# KiCad board panel-support-52-blue.kicad_pcb (continued)
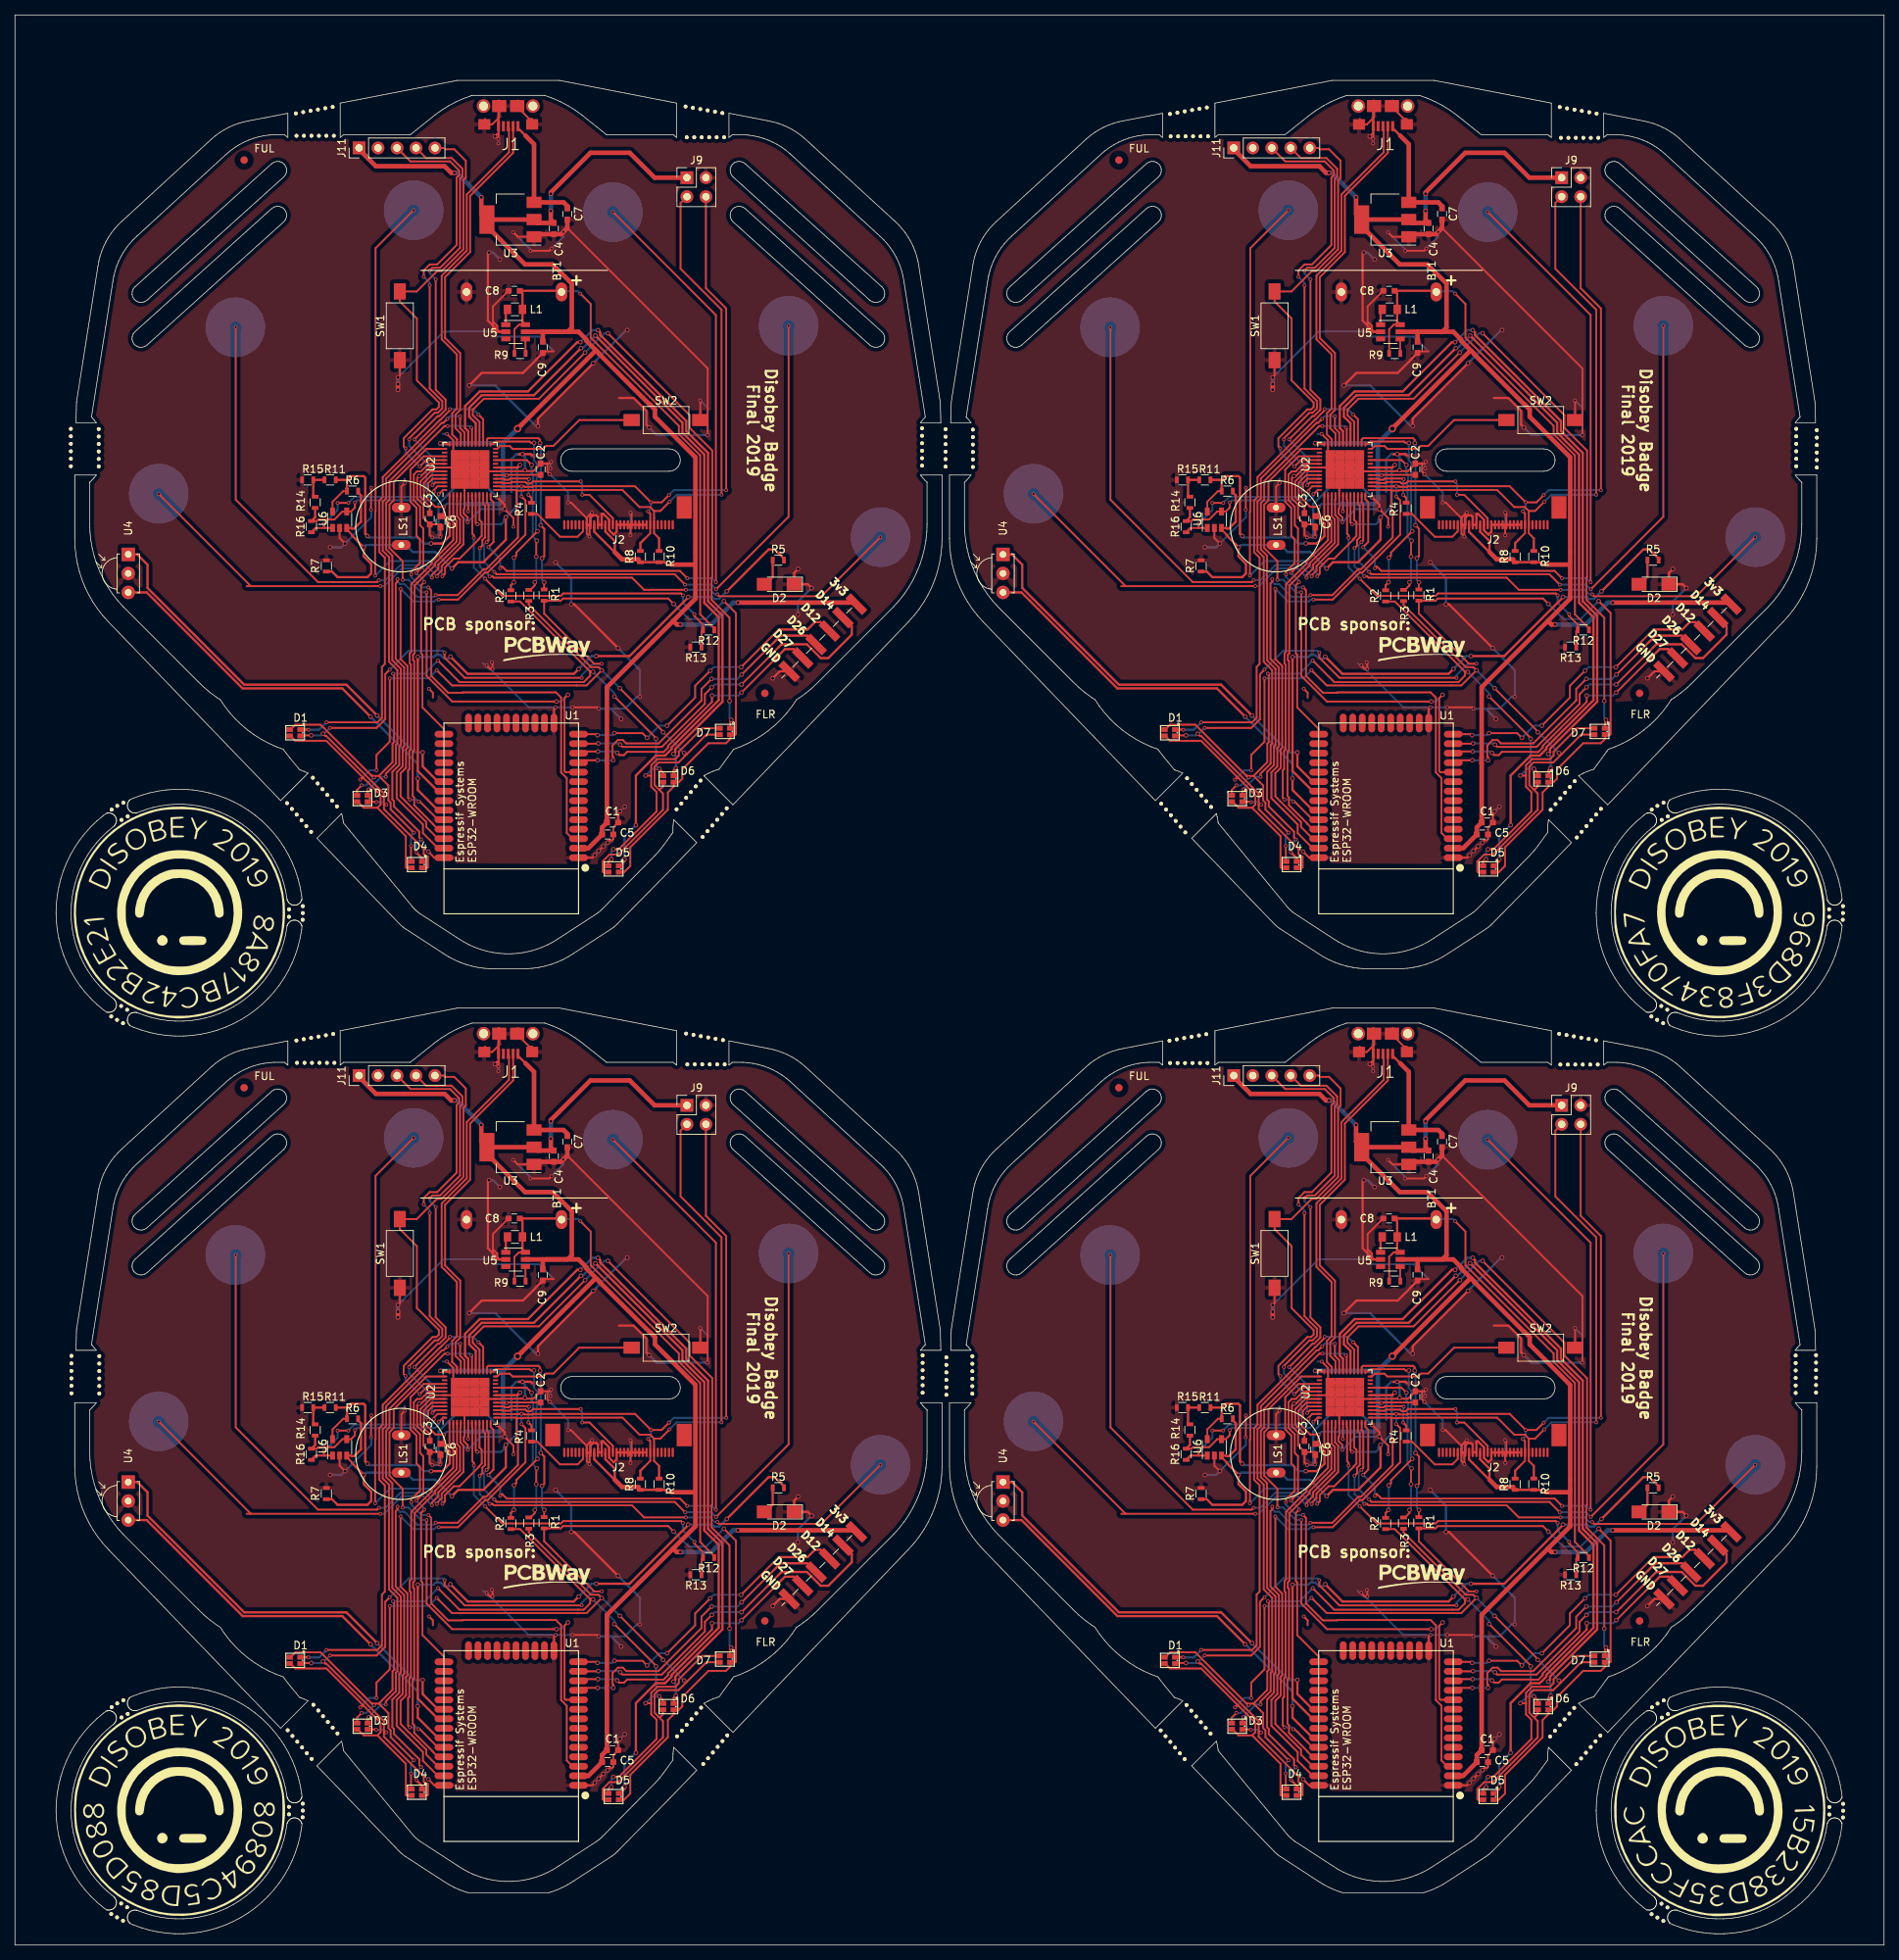
[diagram p0: board, top side]
## Routing (per net, layer and track width the routed paths; a pad name or vN(x,y) marks a point on that pad's centre or on a via; arc(x,y) is an arc through that point) (continued)
Net-(D1-Pad3): length 562.1
  Top w0.25: v1(167.58,169.95) 167.7,169.83 167.7,160.79 167.5,160.59 167.5,158.12 165.68,156.29 165.68,156.28 ; v1(50.58,45.95) 50.7,45.83 50.7,36.79 50.5,36.59 50.5,34.12 48.68,32.29 48.68,32.28 ; v1(167.58,45.95) 167.7,45.83 167.7,36.79 167.5,36.59 167.5,34.12 165.68,32.29 165.68,32.28 ; 165.68,156.28 166.95,155 166.95,153 167.25,152.7 167.25,151.8 v1(170.35,148.7) ; 165.68,156.28 164.73,156.28 ; 48.68,32.28 49.95,31 49.95,29 50.25,28.7 50.25,27.8 v1(53.35,24.7) ; 48.68,32.28 47.73,32.28 ; 165.68,32.28 166.95,31 166.95,29 167.25,28.7 167.25,27.8 v1(170.35,24.7) ; 165.68,32.28 164.73,32.28 ; 193.93,170.28 193.93,169.68 193.08,168.82 192.28,168.82 192.28,168.82 176.46,168.82 v1(173.58,171.71) ; 193.93,170.28 194.25,170.28 v2(194.32,170.2) ; 193.93,170.28 193.88,170.28 184.56,179.6 R2#2.1 ; 76.93,46.28 76.93,45.68 76.08,44.82 75.28,44.82 75.28,44.82 59.46,44.82 v1(56.58,47.71) ; 76.93,46.28 77.25,46.28 v2(77.32,46.2) ; 76.93,46.28 76.88,46.28 67.56,55.6 R2#3.1 ; 193.93,46.28 193.93,45.68 193.08,44.82 192.28,44.82 192.28,44.82 176.46,44.82 v1(173.58,47.71) ; 193.93,46.28 194.25,46.28 v2(194.32,46.2) ; 193.93,46.28 193.88,46.28 184.56,55.6 R2#4.1 ; v1(165.03,156.07) 164.78,156.32 164.73,156.28 ; v1(48.03,32.07) 47.78,32.32 47.73,32.28 ; v1(165.03,32.07) 164.78,32.32 164.73,32.28 ; 164.73,156.28 157.88,163.13 154.5,163.13 153.85,162.47 D1#2.3 ; 47.73,32.28 40.88,39.13 37.5,39.13 36.85,38.47 D1#3.3 ; 164.73,32.28 157.88,39.13 154.5,39.13 153.85,38.47 D1#4.3 ; D3#2.3 162.75,154.4 v1(163.38,155.02) ; D3#3.3 45.75,30.4 v1(46.38,31.03) ; D3#4.3 162.75,30.4 v1(163.38,31.03) ; v1(169.98,146.93) 169.98,144.9 D4#2.3 ; v1(52.98,22.92) 52.98,20.9 D4#3.3 ; v1(169.98,22.92) 169.98,20.9 D4#4.3 ; v2(202.75,161.25) 202.75,161.33 v2(197.18,166.9) ; v2(85.75,37.25) 85.75,37.33 v2(80.18,42.9) ; v2(202.75,37.25) 202.75,37.33 v2(197.18,42.9) ; 202.1,156.27 202.1,157.71 202.92,158.52 205.32,158.52 205.8,159.01 205.8,159.53 208.93,162.65 D7#2.3 ; 202.1,156.27 202.1,154.84 202.83,154.11 202.83,151.55 197.76,146.48 v2(197.03,146.48) ; 202.1,156.27 202.05,156.32 v2(201.35,156.32) ; 85.1,32.28 85.1,33.71 85.92,34.52 88.32,34.52 88.8,35.01 88.8,35.53 91.93,38.65 D7#3.3 ; 85.1,32.28 85.1,30.84 85.83,30.11 85.83,27.55 80.76,22.48 v2(80.03,22.48) ; 85.1,32.28 85.05,32.32 v2(84.35,32.32) ; 202.1,32.28 202.1,33.71 202.92,34.52 205.32,34.52 205.8,35.01 205.8,35.53 208.93,38.65 D7#4.3 ; 202.1,32.28 202.1,30.84 202.83,30.11 202.83,27.55 197.76,22.48 v2(197.03,22.48) ; 202.1,32.28 202.05,32.32 v2(201.35,32.32) ; v2(203.18,157.22) 203.68,156.72 D6#2.3 ; v2(86.18,33.22) 86.68,32.72 86.68,32.3 ; v2(203.18,33.22) 203.68,32.72 203.68,32.3 ; D5#2.3 196.35,144.85 196.63,145.12 v2(196.77,145.12) ; D5#3.3 79.35,20.85 79.63,21.12 v2(79.77,21.12) ; D5#4.3 196.35,20.85 196.63,21.12 v2(196.77,21.12) ; v2(79.77,145.12) 79.63,145.12 79.35,144.85 D5.3 ; D3.3 45.75,154.4 v1(46.38,155.02) ; v1(56.58,171.71) 59.46,168.82 75.28,168.82 75.28,168.82 76.08,168.82 76.93,169.68 76.93,170.28 ; 47.73,156.28 40.88,163.13 37.5,163.13 36.85,162.47 D1.3 ; 47.73,156.28 48.68,156.28 ; 47.73,156.28 47.78,156.32 v1(48.03,156.07) ; v2(80.03,146.48) 80.76,146.48 85.83,151.55 85.83,154.11 85.1,154.84 85.1,156.27 ; 85.1,156.27 85.05,156.32 v2(84.35,156.32) ; 85.1,156.27 85.1,157.71 85.92,158.52 88.32,158.52 88.8,159.01 88.8,159.53 91.93,162.65 D7.3 ; v2(86.18,157.22) 86.68,156.72 D6.3 ; D4.3 52.98,144.9 v1(52.98,146.93) ; v2(85.75,161.25) 85.75,161.33 v2(80.18,166.9) ; 48.68,156.28 48.68,156.29 50.5,158.12 50.5,160.59 50.7,160.79 50.7,169.83 v1(50.58,169.95) ; 48.68,156.28 49.95,155 49.95,153 50.25,152.7 50.25,151.8 v1(53.35,148.7) ; 76.93,170.28 77.25,170.28 v2(77.32,170.2) ; 76.93,170.28 76.88,170.28 67.56,179.6 R2.1
  Bottom w0.25: v1(167.58,169.95) 171.82,169.95 v1(173.58,171.71) ; v1(50.58,45.95) 54.82,45.95 v1(56.58,47.71) ; v1(167.58,45.95) 171.82,45.95 v1(173.58,47.71) ; v1(163.38,155.02) 163.98,155.02 v1(165.03,156.07) ; v1(46.38,31.03) 46.98,31.03 v1(48.03,32.07) ; v1(163.38,31.03) 163.98,31.03 v1(165.03,32.07) ; v2(194.32,170.2) 197.18,167.34 v2(197.18,166.9) ; v2(77.32,46.2) 80.18,43.34 v2(80.18,42.9) ; v2(194.32,46.2) 197.18,43.34 v2(197.18,42.9) ; v1(169.98,146.93) 169.98,148.32 v1(170.35,148.7) ; v1(52.98,22.92) 52.98,24.32 v1(53.35,24.7) ; v1(169.98,22.92) 169.98,24.32 v1(170.35,24.7) ; v2(202.75,161.25) 202.75,157.66 v2(203.18,157.22) 202.25,157.22 v2(201.35,156.32) ; v2(85.75,37.25) 85.75,33.66 v2(86.18,33.22) 85.25,33.22 v2(84.35,32.32) ; v2(202.75,37.25) 202.75,33.66 v2(203.18,33.22) 202.25,33.22 v2(201.35,32.32) ; v2(197.03,146.48) 196.77,146.21 v2(196.77,145.12) ; v2(80.03,22.48) 79.77,22.21 v2(79.77,21.12) ; v2(197.03,22.48) 196.77,22.21 v2(196.77,21.12) ; v2(79.77,145.12) 79.77,146.21 v2(80.03,146.48) ; v1(50.58,169.95) 54.82,169.95 v1(56.58,171.71) ; v1(48.03,156.07) 46.98,155.02 v1(46.38,155.02) ; v2(84.35,156.32) 85.25,157.22 v2(86.18,157.22) 85.75,157.66 v2(85.75,161.25) ; v2(77.32,170.2) 80.18,167.34 v2(80.18,166.9) ; v1(53.35,148.7) 52.98,148.32 v1(52.98,146.93)
Net-(D1-Pad4): length 553.6
  Top w0.25: v1(167.13,169.32) 167.13,160.85 165.36,159.08 v1(165.36,157.02) ; v1(50.13,45.32) 50.13,36.85 48.36,35.08 v1(48.36,33.02) ; v1(167.13,45.32) 167.13,36.85 165.36,35.08 v1(165.36,33.02) ; v1(173.42,170.41) 175.45,168.37 192.1,168.37 192.1,168.37 193.46,168.37 v2(195.48,170.4) 195.05,170.82 194.05,170.82 185.73,179.15 R3#2.1 ; v1(56.42,46.41) 58.45,44.37 75.1,44.37 75.1,44.37 76.46,44.37 v2(78.48,46.4) 78.05,46.82 77.05,46.82 68.73,55.15 R3#3.1 ; v1(173.42,46.41) 175.45,44.37 192.1,44.37 192.1,44.37 193.46,44.37 v2(195.48,46.4) 195.05,46.82 194.05,46.82 185.73,55.15 R3#4.1 ; 163.63,156 165.9,153.72 165.9,152.45 165.48,152.02 ; 163.63,156 158.65,160.97 154.5,160.97 153.85,161.62 D1#2.4 ; 163.63,156 163.6,156.02 163.43,156.02 v1(163.18,155.77) ; 46.63,32 48.9,29.72 48.9,28.45 48.48,28.03 ; 46.63,32 41.65,36.97 37.5,36.97 36.85,37.62 D1#3.4 ; 46.63,32 46.6,32.02 46.43,32.02 v1(46.18,31.78) ; 163.63,32 165.9,29.72 165.9,28.45 165.48,28.03 ; 163.63,32 158.65,36.97 154.5,36.97 153.85,37.62 D1#4.4 ; 163.63,32 163.6,32.02 163.43,32.02 v1(163.18,31.78) ; 165.48,152.02 169.28,148.22 169.28,144.07 169.35,144 170.03,144 ; 165.48,152.02 163.65,152.02 162.85,152.82 D3#2.4 ; 48.48,28.03 52.28,24.22 52.28,20.07 52.35,20 D4#3.4 ; 48.48,28.03 46.65,28.03 45.85,28.82 D3#3.4 ; 165.48,28.03 169.28,24.22 169.28,20.07 169.35,20 D4#4.4 ; 165.48,28.03 163.65,28.03 162.85,28.82 D3#4.4 ; 203.13,154.47 202.55,155.05 202.55,157.53 203.1,158.07 205.75,158.07 206.8,159.12 ; 203.13,154.47 203.68,153.93 203.68,151.76 197.69,145.77 196.52,145.77 195.6,144.86 195.6,143.5 195.68,143.43 D5#2.4 ; 203.13,154.47 203.28,154.47 203.68,154.88 D6#2.4 ; 86.13,30.47 85.55,31.05 85.55,33.53 86.1,34.07 88.75,34.07 89.8,35.12 ; 86.13,30.47 86.68,29.92 86.68,27.76 80.69,21.78 79.52,21.78 78.6,20.86 78.6,19.5 78.68,19.42 D5#3.4 ; 86.13,30.47 86.28,30.47 86.68,30.88 D6#3.4 ; 203.13,30.47 202.55,31.05 202.55,33.53 203.1,34.07 205.75,34.07 206.8,35.12 ; 203.13,30.47 203.68,29.92 203.68,27.76 197.69,21.78 196.52,21.78 195.6,20.86 195.6,19.5 195.68,19.42 D5#4.4 ; 203.13,30.47 203.28,30.47 203.68,30.88 D6#4.4 ; 206.8,159.12 206.58,159.35 v2(206.51,159.35) ; 206.8,159.12 209.48,161.8 D7#2.4 ; 89.8,35.12 89.58,35.35 v2(89.51,35.35) ; 89.8,35.12 92.48,37.8 D7#3.4 ; 206.8,35.12 206.58,35.35 v2(206.51,35.35) ; 206.8,35.12 209.48,37.8 D7#4.4 ; v2(203.69,162.12) 203.69,162.22 v2(197.9,168) ; v2(86.69,38.12) 86.69,38.22 v2(80.9,44) ; v2(203.69,38.12) 203.69,38.22 v2(197.9,44) ; 89.8,159.12 89.58,159.35 v2(89.51,159.35) ; 89.8,159.12 92.48,161.8 D7.4 ; 89.8,159.12 88.75,158.07 86.1,158.07 85.55,157.53 85.55,155.05 86.13,154.47 ; 86.13,154.47 86.28,154.47 86.68,154.88 D6.4 ; 86.13,154.47 86.68,153.93 86.68,151.76 80.69,145.77 79.52,145.77 78.6,144.86 78.6,143.5 78.68,143.43 D5.4 ; v1(50.13,169.32) 50.13,160.85 48.36,159.08 v1(48.36,157.02) ; v1(56.42,170.41) 58.45,168.37 75.1,168.37 75.1,168.37 76.46,168.37 v2(78.48,170.4) 78.05,170.82 77.05,170.82 68.73,179.15 R3.1 ; 46.63,156 48.9,153.72 48.9,152.45 48.48,152.02 ; 46.63,156 41.65,160.97 37.5,160.97 36.85,161.62 D1.4 ; 46.63,156 46.6,156.02 46.43,156.02 v1(46.18,155.77) ; v2(86.69,162.12) 86.69,162.22 v2(80.9,168) ; 48.48,152.02 46.65,152.02 45.85,152.82 D3.4 ; 48.48,152.02 52.28,148.22 52.28,144.07 52.35,144 53.03,144
  Bottom w0.25: v1(167.13,169.32) 172.33,169.32 v1(173.42,170.41) ; v1(50.13,45.32) 55.33,45.32 v1(56.42,46.41) ; v1(167.13,45.32) 172.33,45.32 v1(173.42,46.41) ; v1(165.36,157.02) 164.43,157.02 v1(163.18,155.77) ; v1(48.36,33.02) 47.43,33.02 v1(46.18,31.78) ; v1(165.36,33.02) 164.43,33.02 v1(163.18,31.78) ; v2(206.51,159.35) 203.74,162.12 v2(203.69,162.12) ; v2(89.51,35.35) 86.74,38.12 v2(86.69,38.12) ; v2(206.51,35.35) 203.74,38.12 v2(203.69,38.12) ; v2(195.48,170.4) 195.51,170.4 v2(197.9,168) ; v2(78.48,46.4) 78.51,46.4 v2(80.9,44) ; v2(195.48,46.4) 195.51,46.4 v2(197.9,44) ; v1(56.42,170.41) 55.33,169.32 v1(50.13,169.32) ; v2(80.9,168) 78.51,170.4 v2(78.48,170.4) ; v2(86.69,162.12) 86.74,162.12 v2(89.51,159.35) ; v1(48.36,157.02) 47.43,157.02 v1(46.18,155.77)
Net-(D2-Pad2): length 15.1
  Top w0.3: D2#2.2 217.38,181.9 218.35,182.88 R5#2.1 ; D2#3.2 100.38,57.9 101.35,58.88 R5#3.1 ; D2#4.2 217.38,57.9 218.35,58.88 R5#4.1 ; D2.2 100.38,181.9 101.35,182.88 R5.1
Net-(D3-Pad1): length 250.7
  Top w0.25: v1(166.61,156.16) 166.61,156.58 167.95,157.93 167.95,160.41 168.15,160.61 168.15,170.42 167.03,171.54 167.03,185.54 166.19,186.37 166.19,192.93 166.64,193.38 166.64,196.02 174.09,203.47 174.3,203.47 v1(174.84,204.01) ; v1(49.61,32.16) 49.61,32.58 50.95,33.93 50.95,36.41 51.15,36.61 51.15,46.42 50.03,47.54 50.03,61.54 49.19,62.37 49.19,68.93 49.64,69.38 49.64,72.02 57.09,79.47 57.3,79.47 v1(57.84,80.01) ; v1(166.61,32.16) 166.61,32.58 167.95,33.93 167.95,36.41 168.15,36.61 168.15,46.42 167.03,47.54 167.03,61.54 166.19,62.37 166.19,68.93 166.64,69.38 166.64,72.02 174.09,79.47 174.3,79.47 v1(174.84,80.01) ; U2#2.32 177.13,202.19 176.55,202.77 v1(176.55,204.37) ; U2#3.32 60.13,78.19 59.55,78.77 v1(59.55,80.37) ; U2#4.32 177.13,78.19 176.55,78.77 v1(176.55,80.37) ; v1(164.31,154.48) 164.2,154.38 D3#2.1 ; v1(47.31,30.48) 47.2,30.38 D3#3.1 ; v1(164.31,30.48) 164.2,30.38 D3#4.1 ; v1(49.61,156.16) 49.61,156.58 50.95,157.93 50.95,160.41 51.15,160.61 51.15,170.42 50.03,171.54 50.03,185.54 49.19,186.37 49.19,192.93 49.64,193.38 49.64,196.02 57.09,203.47 57.3,203.47 v1(57.84,204.01) ; v1(59.55,204.37) 59.55,202.77 60.13,202.19 U2.32 ; D3.1 47.2,154.38 v1(47.31,154.48)
  Bottom w0.25: v1(174.84,204.01) 175.2,204.37 v1(176.55,204.37) ; v1(57.84,80.01) 58.2,80.37 v1(59.55,80.37) ; v1(174.84,80.01) 175.2,80.37 v1(176.55,80.37) ; v1(166.61,156.16) 165.99,156.16 v1(164.31,154.48) ; v1(49.61,32.16) 48.99,32.16 v1(47.31,30.48) ; v1(166.61,32.16) 165.99,32.16 v1(164.31,30.48) ; v1(59.55,204.37) 58.2,204.37 v1(57.84,204.01) ; v1(47.31,154.48) 48.99,156.16 v1(49.61,156.16)
Net-(D4-Pad1): length 283.2
  Top w0.25: v1(174.88,203.05) 174.46,203.05 167.09,195.68 167.09,193.19 166.64,192.74 166.64,186.56 167.48,185.72 167.48,171.73 168.6,170.6 168.6,160.42 168.4,160.22 168.4,157.74 167.48,156.82 167.48,153.11 167.7,152.89 167.7,152.2 171.08,148.82 171.08,148.03 v1(171.33,147.78) ; v1(57.88,79.05) 57.46,79.05 50.09,71.68 50.09,69.19 49.64,68.74 49.64,62.56 50.48,61.72 50.48,47.73 51.6,46.6 51.6,36.42 51.4,36.22 51.4,33.74 50.48,32.82 50.48,29.11 50.7,28.89 50.7,28.2 54.08,24.82 54.08,24.03 v1(54.33,23.78) ; v1(174.88,79.05) 174.46,79.05 167.09,71.68 167.09,69.19 166.64,68.74 166.64,62.56 167.48,61.72 167.48,47.73 168.6,46.6 168.6,36.42 168.4,36.22 168.4,33.74 167.48,32.82 167.48,29.11 167.7,28.89 167.7,28.2 171.08,24.82 171.08,24.03 v1(171.33,23.78) ; v1(178.02,202.84) 178.13,202.73 U2#2.30 ; v1(61.02,78.84) 61.13,78.73 U2#3.30 ; v1(178.02,78.84) 178.13,78.73 U2#4.30 ; v1(54.33,147.78) 54.08,148.03 54.08,148.82 50.7,152.2 50.7,152.89 50.48,153.11 50.48,156.82 51.4,157.74 51.4,160.22 51.6,160.42 51.6,170.6 50.48,171.73 50.48,185.72 49.64,186.56 49.64,192.74 50.09,193.19 50.09,195.68 57.46,203.05 v1(57.88,203.05) ; v1(61.02,202.84) 61.13,202.73 U2.30
  Top w0.3: v1(170.68,146.05) 171.48,145.25 D4#2.1 ; v1(53.68,22.05) 54.48,21.25 D4#3.1 ; v1(170.68,22.05) 171.48,21.25 D4#4.1 ; D4.1 54.48,145.25 v1(53.68,146.05)
  Bottom w0.25: v1(174.88,203.05) 177.81,203.05 v1(178.02,202.84) ; v1(57.88,79.05) 60.81,79.05 v1(61.02,78.84) ; v1(174.88,79.05) 177.81,79.05 v1(178.02,78.84) ; v1(61.02,202.84) 60.81,203.05 v1(57.88,203.05)
  Bottom w0.3: v1(171.33,147.78) 170.68,147.13 v1(170.68,146.05) ; v1(54.33,23.78) 53.68,23.13 v1(53.68,22.05) ; v1(171.33,23.78) 170.68,23.13 v1(170.68,22.05) ; v1(53.68,146.05) 53.68,147.13 v1(54.33,147.78)
Net-(D5-Pad1): length 440.3
  Top w0.3: v2(194.64,215.14) 206.28,203.5 206.28,202.17 209.2,199.25 209.2,179.42 211.13,177.5 211.13,166.41 204.83,160.11 204.83,159.88 203.95,159 202.72,159 200.05,156.33 v2(200.05,149.7) ; v2(77.64,91.14) 89.28,79.5 89.28,78.17 92.2,75.25 92.2,55.42 94.13,53.5 94.13,42.41 87.83,36.11 87.83,35.88 86.95,35 85.72,35 83.05,32.33 v2(83.05,25.7) ; v2(194.64,91.14) 206.28,79.5 206.28,78.17 209.2,75.25 209.2,55.42 211.13,53.5 211.13,42.41 204.83,36.11 204.83,35.88 203.95,35 202.72,35 200.05,32.33 v2(200.05,25.7) ; D5#2.1 197.9,144.27 198.53,144.9 v2(198.53,145.15) ; D5#3.1 80.9,20.28 81.53,20.9 v2(81.53,21.15) ; D5#4.1 197.9,20.28 198.53,20.9 v2(198.53,21.15) ; v2(192.72,213.47) 186.42,207.18 179.43,207.18 177.75,205.5 177.75,204.3 178.63,203.43 U2#2.29 ; v2(75.72,89.47) 69.42,83.18 62.43,83.18 60.75,81.5 60.75,80.3 61.63,79.43 U2#3.29 ; v2(192.72,89.47) 186.42,83.18 179.43,83.18 177.75,81.5 177.75,80.3 178.63,79.43 U2#4.29 ; v2(81.53,145.15) 81.53,144.9 80.9,144.27 D5.1 ; v2(83.05,149.7) 83.05,156.33 85.72,159 86.95,159 87.83,159.88 87.83,160.11 94.13,166.41 94.13,177.5 92.2,179.42 92.2,199.25 89.28,202.17 89.28,203.5 v2(77.64,215.14) ; v2(75.72,213.47) 69.42,207.18 62.43,207.18 60.75,205.5 60.75,204.3 61.63,203.43 U2.29
  Bottom w0.3: v2(198.53,145.15) 198.53,148.18 v2(200.05,149.7) ; v2(81.53,21.15) 81.53,24.17 v2(83.05,25.7) ; v2(198.53,21.15) 198.53,24.17 v2(200.05,25.7) ; v2(192.72,213.47) 192.96,213.47 v2(194.64,215.14) ; v2(75.72,89.47) 75.96,89.47 v2(77.64,91.14) ; v2(192.72,89.47) 192.96,89.47 v2(194.64,91.14) ; v2(75.72,213.47) 75.96,213.47 v2(77.64,215.14) ; v2(83.05,149.7) 81.53,148.18 v2(81.53,145.15)
Net-(D6-Pad1): length 386.5
  Top w0.3: v2(205.08,159.21) 205.33,159.46 205.33,159.9 211.63,166.2 211.63,177.7 209.7,179.63 209.7,199.45 206.78,202.38 206.78,203.73 195.28,215.22 195.28,215.56 v2(194.98,215.86) ; v2(88.08,35.21) 88.33,35.46 88.33,35.9 94.63,42.2 94.63,53.7 92.7,55.63 92.7,75.45 89.78,78.38 89.78,79.73 78.28,91.22 78.28,91.56 v2(77.98,91.86) ; v2(205.08,35.21) 205.33,35.46 205.33,35.9 211.63,42.2 211.63,53.7 209.7,55.63 209.7,75.45 206.78,78.38 206.78,79.73 195.28,91.22 195.28,91.56 v2(194.98,91.86) ; v2(205.4,157.32) 205.13,157.04 D6#2.1 ; v2(88.4,33.32) 88.13,33.04 88.13,32.3 ; v2(205.4,33.32) 205.13,33.04 205.13,32.3 ; v2(192.63,214.26) 192.2,214.26 185.62,207.68 179.17,207.68 177.2,205.7 177.2,202.78 177.63,202.36 U2#2.31 ; v2(75.63,90.26) 75.2,90.26 68.62,83.68 62.17,83.68 60.2,81.7 60.2,78.78 60.63,78.36 U2#3.31 ; v2(192.63,90.26) 192.2,90.26 185.62,83.68 179.17,83.68 177.2,81.7 177.2,78.78 177.63,78.36 U2#4.31 ; D6.1 88.13,157.04 v2(88.4,157.32) ; U2.31 60.63,202.36 60.2,202.78 60.2,205.7 62.17,207.68 68.62,207.68 75.2,214.26 v2(75.63,214.26) ; v2(88.08,159.21) 88.33,159.46 88.33,159.9 94.63,166.2 94.63,177.7 92.7,179.63 92.7,199.45 89.78,202.38 89.78,203.73 78.28,215.22 78.28,215.56 v2(77.98,215.86)
  Bottom w0.3: v2(205.08,159.21) 205.4,158.89 v2(205.4,157.32) ; v2(88.08,35.21) 88.4,34.89 v2(88.4,33.32) ; v2(205.08,35.21) 205.4,34.89 v2(205.4,33.32) ; v2(192.63,214.26) 194.23,215.86 v2(194.98,215.86) ; v2(75.63,90.26) 77.23,91.86 v2(77.98,91.86) ; v2(192.63,90.26) 194.23,91.86 v2(194.98,91.86) ; v2(75.63,214.26) 77.23,215.86 v2(77.98,215.86) ; v2(88.4,157.32) 88.4,158.89 v2(88.08,159.21)
Net-(D7-Pad1): length 348.1
  Top w0.25: v2(212.8,163.77) 212.68,163.65 D7#2.1 ; v2(95.8,39.78) 95.68,39.65 D7#3.1 ; v2(212.8,39.78) 212.68,39.65 D7#4.1 ; v2(212.58,166.3) 212.58,177.42 210.18,179.82 210.18,182.78 210.28,182.88 210.28,199.76 207.25,202.79 207.25,204.5 v2(196.3,215.45) ; v2(95.58,42.3) 95.58,53.42 93.18,55.82 93.18,58.78 93.28,58.88 93.28,75.76 90.25,78.79 90.25,80.5 v2(79.3,91.45) ; v2(212.58,42.3) 212.58,53.42 210.18,55.82 210.18,58.78 210.28,58.88 210.28,75.76 207.25,78.79 207.25,80.5 v2(196.3,91.45) ; v2(193.25,212.88) 187.08,206.7 179.7,206.7 178.23,205.22 178.23,204.5 179.13,203.6 U2#2.28 ; v2(76.25,88.88) 70.08,82.7 62.7,82.7 61.23,81.22 61.23,80.5 62.13,79.6 U2#3.28 ; v2(193.25,88.88) 187.08,82.7 179.7,82.7 178.23,81.22 178.23,80.5 179.13,79.6 U2#4.28 ; D7.1 95.68,163.65 v2(95.8,163.77) ; v2(95.58,166.3) 95.58,177.42 93.18,179.82 93.18,182.78 93.28,182.88 93.28,199.76 90.25,202.79 90.25,204.5 v2(79.3,215.45) ; U2.28 62.13,203.6 61.23,204.5 61.23,205.22 62.7,206.7 70.08,206.7 v2(76.25,212.88)
  Bottom w0.25: v2(212.8,163.77) 212.58,164 v2(212.58,166.3) ; v2(95.8,39.78) 95.58,40 v2(95.58,42.3) ; v2(212.8,39.78) 212.58,40 v2(212.58,42.3) ; v2(193.25,212.88) 195.83,215.45 v2(196.3,215.45) ; v2(76.25,88.88) 78.83,91.45 v2(79.3,91.45) ; v2(193.25,88.88) 195.83,91.45 v2(196.3,91.45) ; v2(95.58,166.3) 95.58,164 v2(95.8,163.77) ; v2(76.25,212.88) 78.83,215.45 v2(79.3,215.45)
Net-(J1-Pad2): length 191.1
  Top w0.25: U2#2.33 176.63,202.05 175.93,202.75 175.93,204.57 176.55,205.19 176.55,212.81 174.53,214.84 174.53,222.95 177.88,226.3 177.88,233.81 183.63,239.56 183.63,243.25 183.63,243.26 ; U2#3.33 59.63,78.05 58.93,78.75 58.93,80.57 59.55,81.19 59.55,88.81 57.53,90.84 57.53,98.95 60.88,102.3 60.88,109.81 66.63,115.56 66.63,119.25 66.63,119.26 ; U2#4.33 176.63,78.05 175.93,78.75 175.93,80.57 176.55,81.19 176.55,88.81 174.53,90.84 174.53,98.95 177.88,102.3 177.88,109.81 183.63,115.56 183.63,119.25 183.63,119.26 ; U2.33 59.63,202.05 58.93,202.75 58.93,204.57 59.55,205.19 59.55,212.81 57.53,214.84 57.53,222.95 60.88,226.3 60.88,233.81 66.63,239.56 66.63,243.25 66.63,243.26
Net-(J1-Pad3): length 190.5
  Top w0.25: 183.01,243.16 183.01,242.9 183.08,242.82 183.08,239.65 177.43,234 177.43,226.49 174.08,223.14 174.08,214.65 176.1,212.63 176.1,205.38 175.48,204.75 175.48,201.94 176.13,201.29 U2#2.34 ; 66.01,119.16 66.01,118.9 66.08,118.82 66.08,115.65 60.43,110 60.43,102.49 57.08,99.14 57.08,90.65 59.1,88.63 59.1,81.38 58.48,80.75 58.48,77.94 59.13,77.29 U2#3.34 ; 183.01,119.16 183.01,118.9 183.08,118.82 183.08,115.65 177.43,110 177.43,102.49 174.08,99.14 174.08,90.65 176.1,88.63 176.1,81.38 175.48,80.75 175.48,77.94 176.13,77.29 U2#4.34 ; 66.01,243.16 66.01,242.9 66.08,242.82 66.08,239.65 60.43,234 60.43,226.49 57.08,223.14 57.08,214.65 59.1,212.63 59.1,205.38 58.48,204.75 58.48,201.94 59.13,201.29 U2.34
Net-(J2-Pad6): length 37.4
  Top w0.25: J2#2.6 192.98,188.97 192.25,188.25 189.9,188.25 186.85,191.3 R4#2.2 ; J2#3.6 75.98,64.97 75.25,64.25 72.9,64.25 69.85,67.3 R4#3.2 ; J2#4.6 192.98,64.97 192.25,64.25 189.9,64.25 186.85,67.3 R4#4.2 ; J2.6 75.98,188.97 75.25,188.25 72.9,188.25 69.85,191.3 R4.2
Net-(J3-Pad1): length 226
  Top w0.25: v1(172.77,182.79) 172.77,183.14 173.63,184 173.63,184.52 176.53,187.42 176.53,190.59 176.13,190.99 U2#2.3 ; v1(55.77,58.79) 55.77,59.14 56.63,60 56.63,60.52 59.53,63.42 59.53,66.59 59.13,66.99 U2#3.3 ; v1(172.77,58.79) 172.77,59.14 173.63,60 173.63,60.52 176.53,63.42 176.53,66.59 176.13,66.99 U2#4.3 ; v1(136.23,193.97) 148.53,181.67 148.53,181.65 ; v1(19.23,69.97) 31.53,57.67 31.53,57.65 ; v1(136.23,69.97) 148.53,57.67 148.53,57.65 ; 148.53,181.65 v1(165.88,181.65) ; 148.53,181.65 147.98,181.65 ; 31.53,57.65 v1(48.88,57.65) ; 31.53,57.65 30.98,57.65 ; 148.53,57.65 v1(165.88,57.65) ; 148.53,57.65 147.98,57.65 ; U2.3 59.13,190.99 59.53,190.59 59.53,187.42 56.63,184.52 56.63,184 55.77,183.14 v1(55.77,182.79) ; v1(48.88,181.65) 31.53,181.65 ; 31.53,181.65 31.53,181.67 v1(19.23,193.97) ; 31.53,181.65 30.98,181.65
  Bottom w0.25: v1(172.77,182.79) 171.56,184 168.75,184 166.4,181.65 v1(165.88,181.65) ; v1(55.77,58.79) 54.56,60 51.75,60 49.4,57.65 v1(48.88,57.65) ; v1(172.77,58.79) 171.56,60 168.75,60 166.4,57.65 v1(165.88,57.65) ; v1(136.23,193.97) 136.23,194 J3#2.1 ; v1(19.23,69.97) 19.23,70 J3#3.1 ; v1(136.23,69.97) 136.23,70 J3#4.1 ; J3.1 19.23,194 v1(19.23,193.97) ; v1(48.88,181.65) 49.4,181.65 51.75,184 54.56,184 v1(55.77,182.79)
Net-(J4-Pad1): length 274.6
  Top w0.25: U2#2.4 176.63,193.25 176.58,193.2 176.58,191.18 176.98,190.78 176.98,187.24 174.08,184.34 174.08,183.73 173.45,183.1 v1(173.45,182.96) ; U2#3.4 59.63,69.25 59.58,69.2 59.58,67.18 59.98,66.78 59.98,63.24 57.08,60.34 57.08,59.73 56.45,59.1 v1(56.45,58.96) ; U2#4.4 176.63,69.25 176.58,69.2 176.58,67.18 176.98,66.78 176.98,63.24 174.08,60.34 174.08,59.73 173.45,59.1 v1(173.45,58.96) ; v1(165.68,182.45) 165.43,182.2 157.53,182.2 146.53,193.2 v1(146.53,216.24) ; v1(48.68,58.45) 48.43,58.2 40.53,58.2 29.53,69.2 v1(29.53,92.24) ; v1(165.68,58.45) 165.43,58.2 157.53,58.2 146.53,69.2 v1(146.53,92.24) ; v1(48.68,182.45) 48.43,182.2 40.53,182.2 29.53,193.2 v1(29.53,216.24) ; U2.4 59.63,193.25 59.58,193.2 59.58,191.18 59.98,190.78 59.98,187.24 57.08,184.34 57.08,183.73 56.45,183.1 v1(56.45,182.96)
  Bottom w0.25: v1(165.68,182.45) 166.56,182.45 168.56,184.45 171.96,184.45 v1(173.45,182.96) ; v1(48.68,58.45) 49.56,58.45 51.56,60.45 54.96,60.45 v1(56.45,58.96) ; v1(165.68,58.45) 166.56,58.45 168.56,60.45 171.96,60.45 v1(173.45,58.96) ; v1(146.53,216.24) 146.52,216.25 J4#2.1 ; v1(29.53,92.24) 29.52,92.25 J4#3.1 ; v1(146.53,92.24) 146.52,92.25 J4#4.1 ; J4.1 29.52,216.25 v1(29.53,216.24) ; v1(48.68,182.45) 49.56,182.45 51.56,184.45 54.96,184.45 v1(56.45,182.96)
Net-(J5-Pad1): length 322.9
  Top w0.25: v1(170.31,231.9) 165.23,226.82 165.23,191.62 165.18,191.57 v1(165.18,183.04) ; v1(53.31,107.9) 48.23,102.82 48.23,67.62 48.18,67.57 v1(48.18,59.04) ; v1(170.31,107.9) 165.23,102.82 165.23,67.62 165.18,67.57 v1(165.18,59.04) ; v1(174.18,182.98) 174.53,183.33 174.53,184.15 175.7,185.33 176.46,185.33 179.07,187.93 179.07,187.99 179.43,188.35 179.43,190.2 179.13,190.5 U2#2.9 ; v1(57.18,58.98) 57.53,59.33 57.53,60.15 58.7,61.33 59.46,61.33 62.07,63.93 62.07,63.99 62.43,64.35 62.43,66.2 62.13,66.5 U2#3.9 ; v1(174.18,58.98) 174.53,59.33 174.53,60.15 175.7,61.33 176.46,61.33 179.07,63.93 179.07,63.99 179.43,64.35 179.43,66.2 179.13,66.5 U2#4.9 ; U2.9 62.13,190.5 62.43,190.2 62.43,188.35 62.07,187.99 62.07,187.93 59.46,185.33 58.7,185.33 57.53,184.15 57.53,183.33 v1(57.18,182.98) ; v1(53.31,231.9) 48.23,226.82 48.23,191.62 48.18,191.57 v1(48.18,183.04)
  Bottom w0.25: v1(170.31,231.9) 170.06,231.65 170.24,231.47 170.24,229.41 170.26,229.43 170.26,231.87 170.3,231.87 J5#2.1 ; v1(53.31,107.9) 53.06,107.65 53.24,107.47 53.24,105.41 53.26,105.43 53.26,107.87 53.3,107.87 J5#3.1 ; v1(170.31,107.9) 170.06,107.65 170.24,107.47 170.24,105.41 170.26,105.43 170.26,107.87 170.3,107.87 J5#4.1 ; v1(174.18,182.98) 174.18,183.33 172.51,185 167.14,185 v1(165.18,183.04) ; v1(57.18,58.98) 57.18,59.33 55.51,61 50.14,61 v1(48.18,59.04) ; v1(174.18,58.98) 174.18,59.33 172.51,61 167.14,61 v1(165.18,59.04) ; 170.32,231.94 170.32,231.92 170.3,231.9 ; 53.32,107.94 53.32,107.92 53.3,107.9 ; 170.32,107.94 170.32,107.92 170.3,107.9 ; J5.1 53.3,231.87 53.26,231.87 53.26,229.43 53.24,229.41 53.24,231.47 53.06,231.65 v1(53.31,231.9) ; 53.3,231.9 53.32,231.92 53.32,231.94 ; v1(57.18,182.98) 57.18,183.33 55.51,185 50.14,185 v1(48.18,183.04)